# Altium PCB PCB1-nano-withlogo-SMT.PcbDoc (part 1 of 5)
Units mil, origin at the board's own origin, x right, y up, seen from the top; angles counter-clockwise.
Board outline 3300 x 2100 mil, 2 copper layers (Top Layer, Bottom Layer); 48 components, 47 nets, 232 pads, 66 vias.
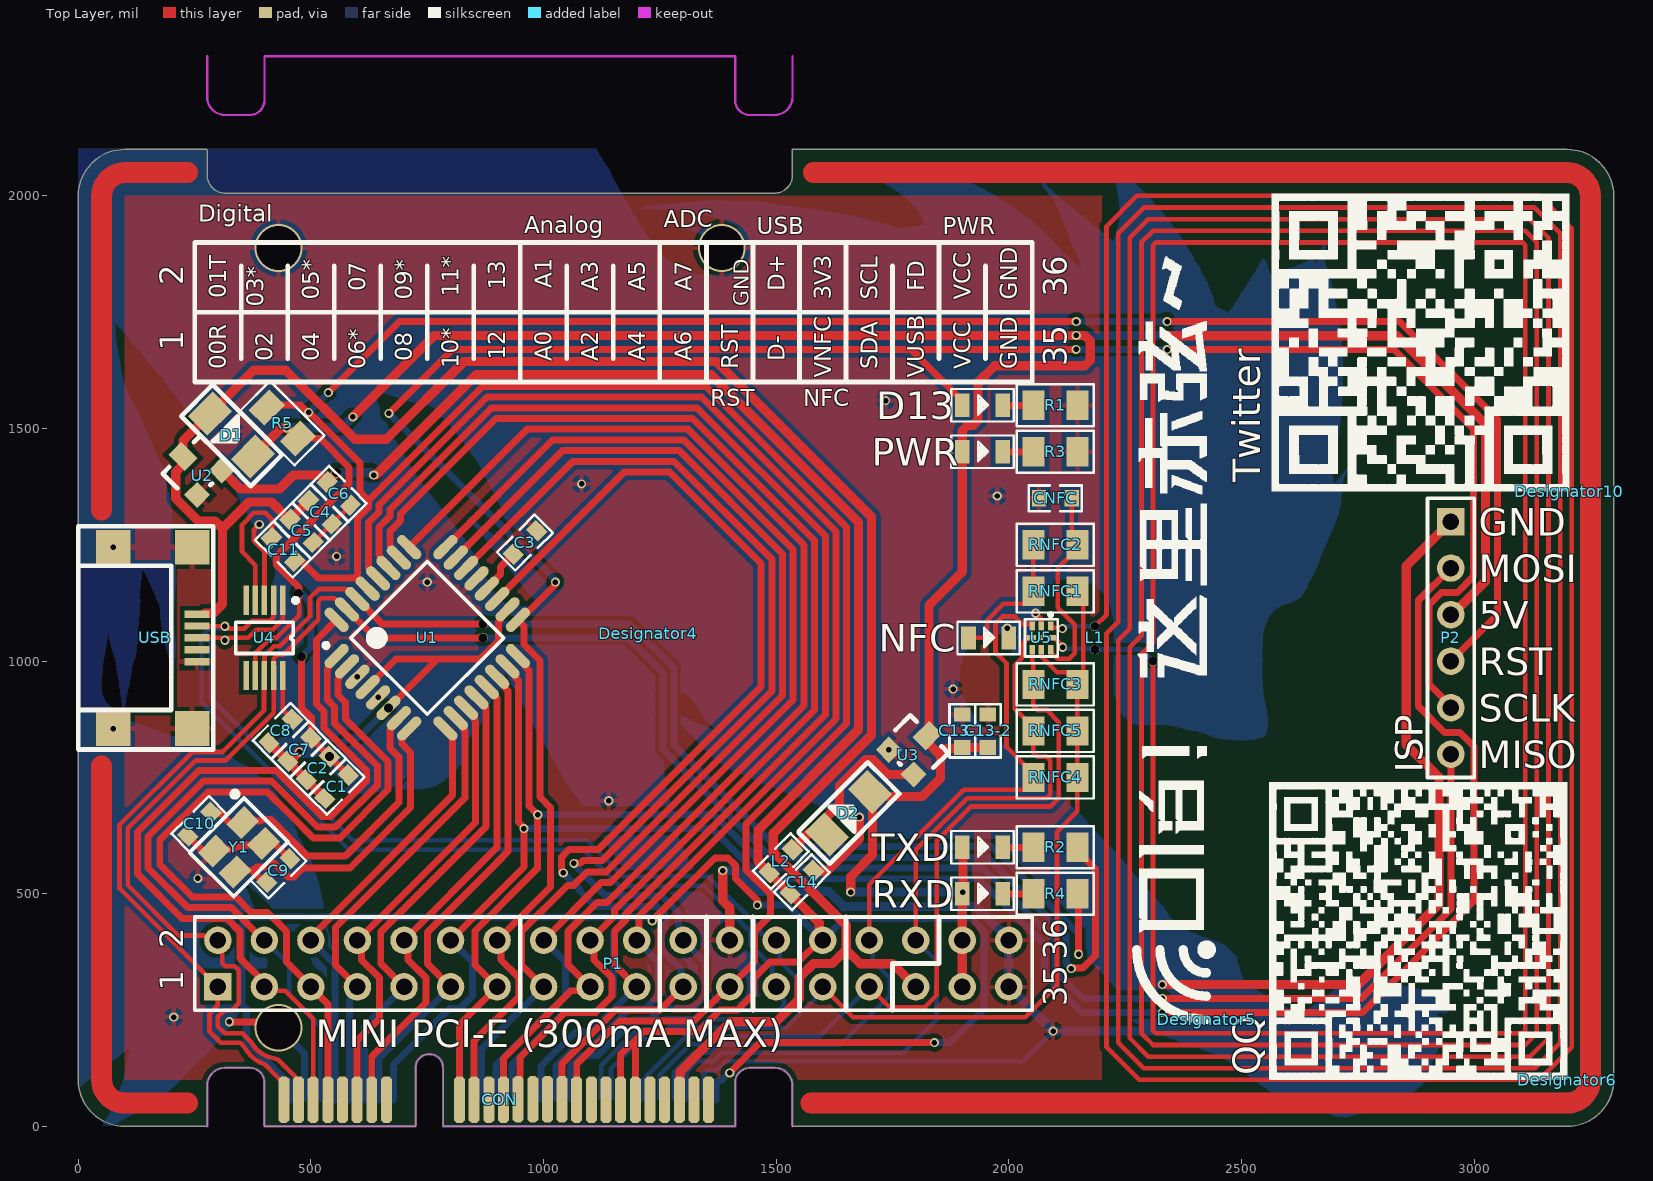
[diagram p0: Top Layer view]
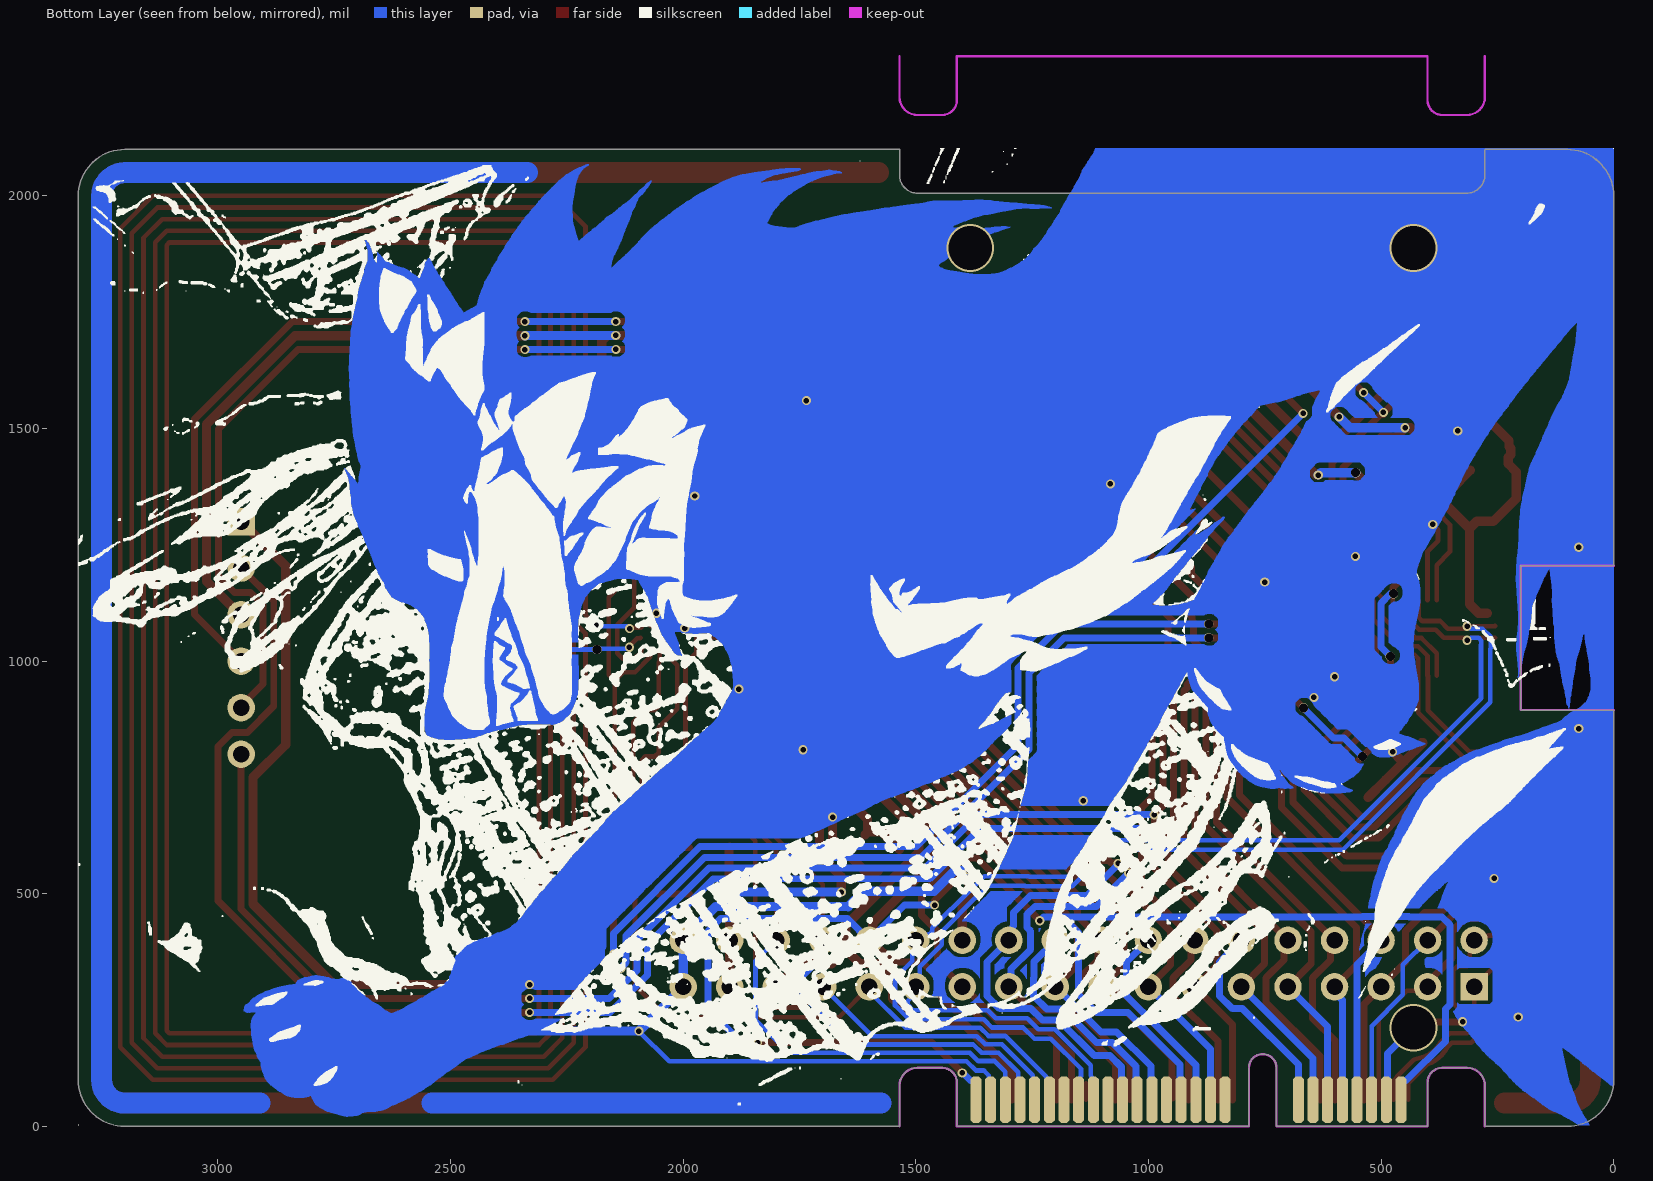
[diagram p1: Bottom Layer view, seen from below]
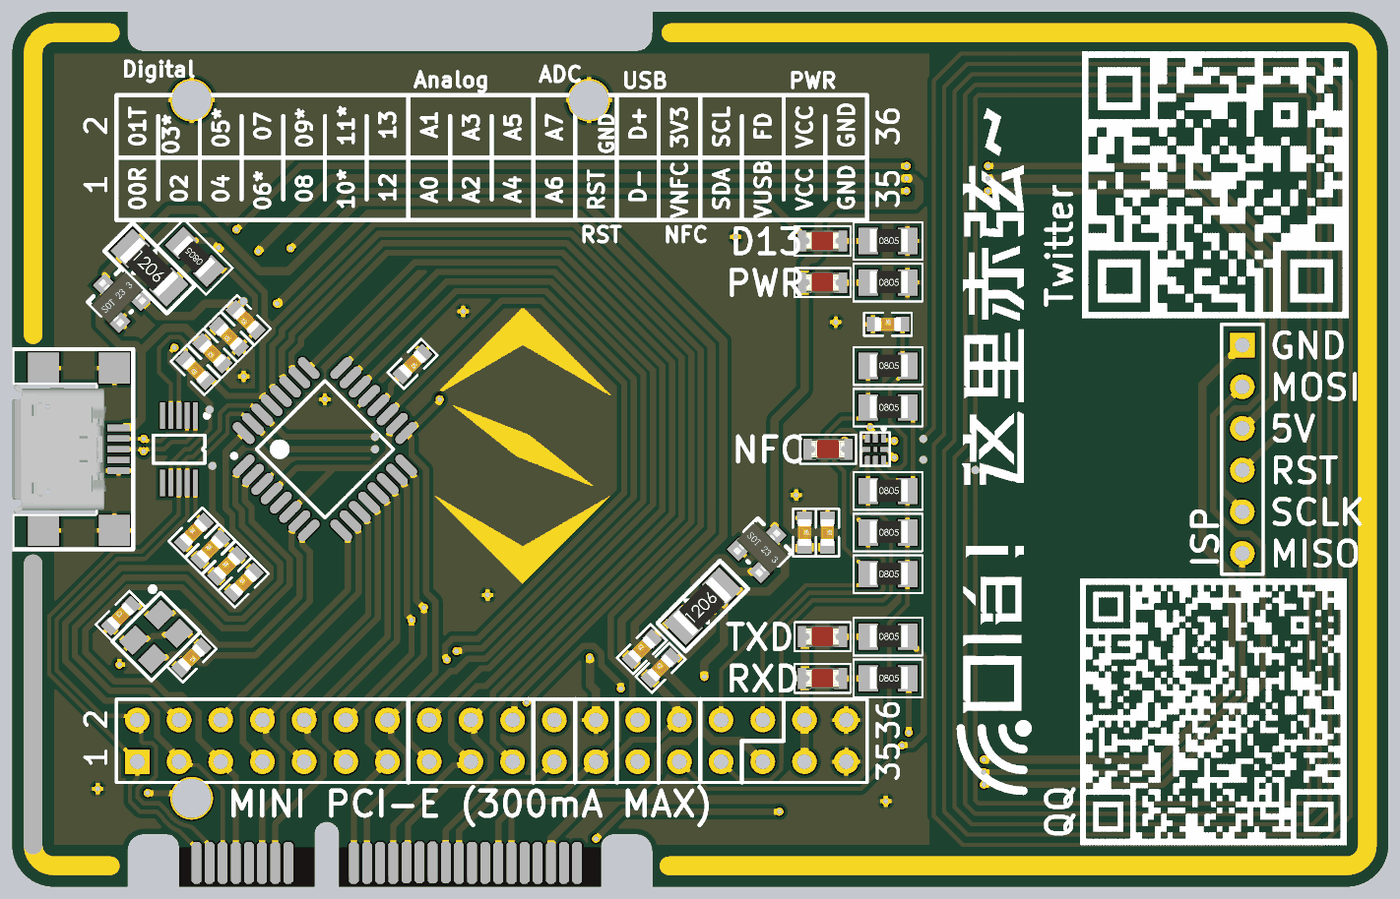
[diagram p6: 3D render of the assembled board from above, using the file's embedded part models]

## Layer stack, top to bottom
Top Solder: solder mask 0.4, Solder Resist, Dk 3.5
Top Layer: signal copper 1.4
Dielectric 1: dielectric 12.6, FR-4, Dk 4.8
Bottom Layer: signal copper 1.4
Bottom Solder: solder mask 0.4, Solder Resist, Dk 3.5

## Board outline
100,0 276.81,0 276.81,87.44 cw(c315.35,87.44) 315.35,125.98 368.5,125.98 cw(c368.5,94.49) 400,94.49 400,0 724.8,0 724.8,126.03 cw(c754.33,125.95) 783.86,125.95 783.86,0 1411.81,0 1411.81,94.49 cw(c1443.31,94.49) 1443.31,125.98 1496.46,125.98 cw(c1496.46,87.44) 1535,87.44 1535,0 3200,0 ccw(c3200,100) 3300,100 3300,2000 ccw(c3200,2000) 3200,2100 1535,2100 1535,2044.56 cw(c1496.46,2044.56) 1496.46,2006.02 315.35,2006.02 cw(c315.35,2044.56) 276.81,2044.56 276.81,2099 275.81,2100 100,2100 ccw(c100,2000) 0,2000 0,1205 200,1205 200,895 0,895 0,100 ccw(c100,100)

## Design rules (kind name [scope] priority, off if disabled: settings)
AssemblyTestpoint [All] p1 off: testpointundercomponent=TRUE minsize=40 maxsize=100 preferedsize=60 minholesize=0 maxholesize=40 preferedholesize=32 testpointgrid=1 usegrid=TRUE gridtolerance=0.01 allowsidetop=TRUE allowsidebottom=TRUE
Clearance [All] p1: gap=10 ignorepadtopadclearanceinfootprint=TRUE except(0: Arc-Hole Track-Hole SMDPad-Hole THPad-Hole Via-Hole Fill-Hole Poly-Hole Region-Hole Text-Hole; 8: Arc-Arc Arc-Track Arc-SMDPad Track-Track Track-SMDPad)
ComponentClearance [All] p1 off: gap=10 collisioncheckmode=3 verticalgap=0 showdistances=FALSE
DiffPairsRouting [All] p1: maxlimit=10 minlimit=10 mostfreqgap=10 toplayer_minwidth=10 toplayer_maxwidth=15 toplayer_prefwidth=10 bottomlayer_minwidth=10 bottomlayer_maxwidth=15 bottomlayer_prefwidth=10 maxuncoupledlength=500
FabricationTestpoint [All] p1 off: side=3 testpointundercomponent=TRUE minsize=40 maxsize=100 preferedsize=60 minholesize=0 maxholesize=40 preferedholesize=32 testpointgrid=1 allowsidetop=TRUE allowsidebottom=TRUE usegrid=TRUE gridtolerance=0.01
PolygonConnect [All] p1: connectstyle=Relief reliefconductorwidth=10 reliefentries=4 polygonreliefangle="90 Angle" airgapwidth=10
RoutingVias [All] p1: holewidth=28 width=50 viastyle="Through Hole" minholewidth=28 minwidth=50 maxholewidth=28 maxwidth=50
SilkToSilkClearance [All] p1 off: silktosilkclearance=10
SilkToSolderMaskClearance [IsPad] p1 off: minsilkscreentomaskgap=10 clearancetoexposedcopper=TRUE
SolderMaskExpansion [All] p1: expansion=4 istentingtop=FALSE
Width Width_GND [InNet('GND')] p1: maxlimit=50 minlimit=10 preferedwidth=20 minimp=50.000000 maximp=50.000000 favimp=50.000000
Width [All] p2: maxlimit=50 minlimit=10 preferedwidth=15 minimp=50.000000 maximp=50.000000 favimp=50.000000
24 further rules are at their usual default settings.

## Classes and differential pairs
component class Sheet1-nano: C1 C2 C3 C4 C5 C6 C7 C8 C9 C10 C11 C13-1 C13-2 C14 CNFC CON D1 D2 D13 L1 L2 NFC P1 P2 PWR R1 R2 R3 R4 R5 RNFC1 RNFC2 RNFC3 RNFC4 RNFC5 RXD TXD U1 U2 U3 U4 U5 USB Y1
differential pair XTAL: +XTAL_P -XTAL_N
differential pair D: +D_P -D_N

## Components (designator, comment, footprint, x,y, rotation, side; value= is the part's Value field where it differs from the comment)
C1 "Cap" 0603C 555,730 r45 top value=1uF
C2 "Cap" 0603C 515,770 r45 top value=4.7uF
C3 "Cap" 0603C 960,1255 r225 top value=0.1uF
C4 "Cap" 0603C 520,1320 r135 top value=0.1uF
C5 "Cap" 0603C 480,1280 r135 top value=4.7uF
C6 "Cap" 0603C 560,1360 r135 top value=0.1uF
C7 "Cap" 0603C 475,810 r45 top value=0.1uF
C8 "Cap" 0603C 435,850 r45 top value=0.1uF
C9 "Cap" 0603C 430,550 r225 top value=22pF
C10 "Cap" 0603C 260,650 r45 top value=22pF
C11 "Cap" 0603C 440,1240 r135 top value=0.1uF
C13-1 "Cap" 0603C 1900,850 r270 top value=47uF
C13-2 "Cap" 0603C 1955,850 r270 top value=47uF
C14 "Cap" 0603C 1555,525 r45 top value=10uF
CNFC "Cap" 0603C 2100,1350 r0 top value=100pF
CON "minipcie" "MINI PCI E PADS" 400,0 r0 top
D1 "Diode" 1206Led 285.9,1526.27 r315 top
D2 "Diode" 1206Led 1615,630 r45 top
D13 "LED0" 0805LED2 1900,1550 r0 top
Designator4 "Comment" logo 1225,1060 r270 top
Designator5 "Comment" Ola 2425,230 r90 top
Designator6 "Comment" qr-qq 3200,100 r90 top
Designator10 "Comment" QR-Twitter 3205,1365 r90 top
L1 "Inductor" L-2.75uH 2185,1075 r0 top value=2.75uH
L2 "Inductor" 0603C 1510,570 r45 top value=10uH
NFC "LED1" 0805LED2 1913.39,1050 r0 top
P1 "Header 18X2" HDR2X18 300,300 r0 top
P2 "Header 6" HDR1X6 2950,1300 r270 top
PWR "LED0" 0805LED2 1900,1450 r0 top
R1 "Res3" 0805-1R 2100,1550 r0 top value=1.5K
R2 "Res3" 0805-1R 2100,600 r0 top value=1.5K
R3 "Res3" 0805-1R 2100,1450 r0 top value=1.5K
R4 "Res3" 0805-1R 2100,500 r0 top value=1.5K
R5 "Res3" 0805-1R 438.41,1511.59 r135 top value=10K
RNFC1 "Res1" 0805-1R 2100,1150 r0 top value=1k
RNFC2 "Res1" 0805-1R 2100,1250 r0 top value=47
RNFC3 "Res1" 0805-1R 2100,950 r0 top value=5.1k
RNFC4 "Res1" 0805-1R 2100,750 r0 top value=5.1k
RNFC5 "Res1" 0805-1R 2100,850 r0 top value=5.1k
RXD "LED0" 0805LED2 1900,500 r0 top
TXD "LED0" 0805LED2 1900,600 r0 top
U1 "ATmega328P-AU" 32A_N 750,1050 r45 top
U2 "XC6206P332MR" SOT-23 252.4,1353.37 r45 top
U3 "QX2303L50T" sot23 1738.37,812.6 r315 top
U4 "CH340E" MS10 400,1050 r180 top
U5 "NT3H1101" XQFN-8_L1.6-W1.6-P0.50-BL 2070,1050 r180 top
USB "MicroUSB" MicroUSB-InBoard 255,1050 r270 top
Y1 "XTAL" SMD-3225 345,600 r225 top

## Footprints (in the part's own frame and the unit in brackets; to place one, negate y for a bottom-side part, rotate by r counter-clockwise, add the part's x,y. Pads: shape width x height; smd on the part's side, far side on the other; paste and mask are expansions set on the pad)
32A_N [mm] "Thin QFP, 32-Leads, Body 7x7mm, Pitch 0.8mm, IPC Medium Density"
  oval 1.65x0.55 smd: 1(-4.2,2.8) 2(-4.2,2) 3(-4.2,1.2) 4(-4.2,0.4) 5(-4.2,-0.4) 6(-4.2,-1.2) 7(-4.2,-2) 8(-4.2,-2.8) 17(4.2,-2.8) 18(4.2,-2) 19(4.2,-1.2) 20(4.2,-0.4) 21(4.2,0.4) 22(4.2,1.2) 23(4.2,2) 24(4.2,2.8)
  oval 0.55x1.65 smd: 9(-2.8,-4.2) 10(-2,-4.2) 11(-1.2,-4.2) 12(-0.4,-4.2) 13(0.4,-4.2) 14(1.2,-4.2) 15(2,-4.2) 16(2.8,-4.2) 25(2.8,4.2) 26(2,4.2) 27(1.2,4.2) 28(0.4,4.2) 29(-0.4,4.2) 30(-1.2,4.2) 31(-2,4.2) 32(-2.8,4.2)
  silkscreen extent -4.32,-2.95 2.95,3.75, body extent -3.5,-3.5 3.5,3.5, height 1.2
0603C [mm]
  rect 0.762x0.9 smd: 1(-0.9,0)
  rect 0.8x0.9 smd: 2(0.9,0)
  silkscreen extent -1.45,-0.7 1.45,0.7, body extent -0.8,-0.4 0.8,0.4, height 0.3
0805-1R [mm] "small type  ver20150428"
  rect 1.2x1.6 smd: 1(-1.2,0) 2(1.2,0)
  silkscreen extent -2.1,-1.15 2.1,1.15, body extent -1.09,-0.64 1.21,0.7, height 0.76
0805LED2 [mm]
  rect 0.8x1.27 smd: 1(0,0) 2(2.2,0)
  silkscreen extent -0.6,-0.89 2.8,0.89, body extent 0.09,-0.62 2.11,0.64, height 1.1
1206Led [mil]
  rect 59.06x75 smd: 1(-6,2) 2(124,2)
  silkscreen extent -46,-46 166,50, body extent -8,-32 124,36, height 33
HDR1X6 [mm] "Connector; Header; 6 Position"
  rect 1.5x1.5 hole 0.9: 1(0,0)
  round 1.5 hole 0.9: 2(2.54,0) 3(5.08,0) 4(7.62,0) 5(10.16,0) 6(12.7,0)
  silkscreen extent -1.27,-1.27 13.97,1.27
HDR2X18 [mm] "Connector; Header; 18x2 Position"
  rect 1.5x1.5 hole 0.9: 1(0,0)
  round 1.5 hole 0.9: 2(0,2.54) 3(2.54,0) 4(2.54,2.54) 5(5.08,0) 6(5.08,2.54) 7(7.62,0) 8(7.62,2.54) 9(10.16,0) 10(10.16,2.54) 11(12.7,0) 12(12.7,2.54) 13(15.24,0) 14(15.24,2.54) 15(17.78,0) 16(17.78,2.54) 17(20.32,0) 18(20.32,2.54) 19(22.86,0) 20(22.86,2.54) 21(25.4,0) 22(25.4,2.54) 23(27.94,0) 24(27.94,2.54) 25(30.48,0) 26(30.48,2.54) 27(33.02,0) 28(33.02,2.54) 29(35.56,0) 30(35.56,2.54) 31(38.1,0) 32(38.1,2.54) 33(40.64,0) 34(40.64,2.54) 35(43.18,0) 36(43.18,2.54)
  silkscreen extent -1.27,-1.27 44.45,3.81
L-2.75uH [mil]
  round 20 hole 19 mask+4: 1(0,0) 2(0,-50)
  Top Layer lines w10: 0,0 25,25 25,860 90,925 125,925 955,925 1025,855 1025,425 1025,-445 1025,-875 1025,-905 955,-975 125,-975 95,-975 25,-905 25,-15 50,10 50,845 105,900 125,900 945,900 1000,845 1000,425 1000,-455 1000,-875 1000,-895 945,-950 125,-950 105,-950 50,-895 50,-30 75,-5 75,835 115,875 125,875 935,875 975,835 975,425 975,-465 975,-885 935,-925 125,-925 115,-925 75,-885 75,-45 100,-20 100,825 125,850 925,850 950,825 950,425 950,-475 950,-875 925,-900 125,-900 100,-875 100,-60 125,-35 125,819.14 130.86,825 919.14,825 925,819.14 925,430.86 925,-480.86 925,-869.14 919.14,-875 130.86,-875 125,-869.14 125,-75
  Bottom Layer lines w10: 0,-50 100,-50 125,-75
logo [mil]
MicroUSB-InBoard [mm]
  rect 0.4x1.35 smd: 1(-1.3,0) 2(-0.65,0) 3(0,0) 4(0.65,0) 5(1.3,0)
  rect 1.9x1.9 smd: GND(-4.953,-0.254) GND(-4.953,-4.572) GND(4.953,-0.254) GND(4.953,-4.572)
  silkscreen extent -6.1,-6.48 6.1,0.89, body extent -3.97,-6.47 3.98,-0.7, height 2.67
"MINI PCI E PADS" [mm]
  oct 0.6x2.55 smd: 1(1.059,1.451) 3(1.859,1.451) 5(2.659,1.451) 7(3.459,1.451) 9(4.259,1.451) 11(5.059,1.451) 13(5.859,1.451) 15(6.659,1.451) 17(10.65,1.451) 19(11.45,1.451) 21(12.25,1.451) 23(13.05,1.451) 25(13.85,1.476) 27(14.65,1.476) 29(15.45,1.476) 31(16.25,1.476) 33(17.05,1.451) 35(17.85,1.451) 37(18.65,1.451) 39(19.45,1.451) 41(20.25,1.451) 43(21.05,1.451) 45(21.85,1.451) 47(22.65,1.451) 49(23.45,1.451) 51(24.25,1.451)
  oct 0.6x2.55 smd far side: 2(1.45,1.451) 4(2.25,1.451) 6(3.051,1.451) 8(3.851,1.451) 10(4.651,1.451) 12(5.452,1.451) 14(6.252,1.451) 16(7.052,1.451) 18(11.05,1.451) 20(11.85,1.451) 22(12.65,1.451) 24(13.45,1.451) 26(14.25,1.451) 28(15.05,1.451) 30(15.85,1.451) 32(16.65,1.451) 34(17.45,1.451) 36(18.25,1.451) 38(19.05,1.451) 40(19.85,1.451) 42(20.65,1.451) 44(21.45,1.451) 46(22.25,1.451) 48(23.05,1.451) 50(23.85,1.451) 52(24.65,1.451)
MS10 [mm] "Shrink Small Outline; 10 Leads; Body Width 3 mm; Pitch 0.5 mm"
  rect 0.3x1.6 smd: 1(-1,-2.05) 2(-0.5,-2.05) 3(0,-2.05) 4(0.5,-2.05) 5(1,-2.05) 6(1,2.05) 7(0.5,2.05) 8(0,2.05) 9(-0.5,2.05) 10(-1,2.05)
  silkscreen extent -1.83,-2.17 1.58,0.85
Ola [mil]
  silkscreen extent 0,-10 1640,150
qr-qq [mil]
  silkscreen extent 0,0 640,639
QR-Twitter [mil]
  silkscreen extent 0,0 640,639
SMD-3225 [mm]
  rect 1.4x1.15 smd: 1(-1.1,-0.8) 2(1.1,0.8) GND(-1.1,0.8) GND(1.1,-0.8)
  silkscreen extent -2.1,-2.35 2.1,1.7, body extent -1.65,-1.27 1.65,1.27, height 0.8
sot23 [mil]
  rect 40x40 smd: 1(4.88,0.63) 3(79.88,0.63)
  rect 40x50 smd: 2(41.88,80.63)
  silkscreen extent -15,-4 100,86, body extent -15,-11 99,99, height 47
SOT-23 [mil]
  rect 40x40 smd: 1(4.88,0.63) 2(79.88,0.63)
  rect 40x50 smd: 3(41.88,80.63)
  silkscreen extent -15,-4 100,86, body extent -15,-11 99,99, height 47
XQFN-8_L1.6-W1.6-P0.50-BL [mm]
  rect 0.3x0.5 smd: 1(-0.5,-0.65) 2(0,-0.65) 3(0.5,-0.65) 5(0.5,0.65) 6(0,0.65) 7(-0.5,0.65)
  rect 0.5x0.3 smd: 4(0.55,0) 8(-0.55,0)
  rect 0.2x0.3 smd: 9(0,0)
  silkscreen extent -0.89,-1.33 0.89,1.02

## Part data
C1 C2 C3 C4 C5 C6 C7 C8 C9 C10 C11 C13-1 C13-2 C14 CNFC: "Capacitor", LatestRevisionDate=17-Jul-2002, LatestRevisionNote="Re-released for DXP Platform.", PackageDescription="Radial Cap, Thru-Hole; 2 Leads; 0.3 in Pin Spacing", PackageReference=RAD-0.3, Published=8-Jun-2000, Publisher="Altium Limited"
D1 D2: "Default Diode", Code_JEDEC=DO-214-AB, LatestRevisionDate=17-Jul-2002, LatestRevisionNote="Re-released for DXP Platform.", PackageDescription="DO-214-AB/SMC; 2 C-Bend Leads; Body 7.9 x 5.9 mm, inc. leads (LxW)", PackageReference=SMC, PackageVersion=Sep-1996, Published=8-Jun-2000, Publisher="Altium Limited"
D13 PWR RXD TXD: "Typical INFRARED GaAs LED", LatestRevisionDate=08-Jul-2005, LatestRevisionNote="Mech Layer 1 removed.", PackageDescription="LED; 2 Leads", PackageReference=LED-0, Published=8-Jun-2000, Publisher="Altium Limited"
NFC: "Typical RED GaAs LED", LatestRevisionDate=08-Jul-2005, LatestRevisionNote="Mech Layer 1 removed.", PackageDescription="LED; 2 Leads", PackageReference=LED-1, Published=8-Jun-2000, Publisher="Altium Limited"
P1: "Header, 18-Pin, Dual row", LatestRevisionDate=17-Jul-2002, LatestRevisionNote="Re-released for DXP Platform.", Publisher="Altium Limited"
P2: "Header, 6-Pin", LatestRevisionDate=17-Jul-2002, LatestRevisionNote="Re-released for DXP Platform.", Publisher="Altium Limited"
R1 R2 R3 R4 R5 RNFC1 RNFC2 RNFC3 RNFC4 RNFC5: "Resistor", Published=8-Jun-2000, Publisher="Altium Limited"
  R1 R2 R3 R4 R5: LatestRevisionDate=29-May-2009, LatestRevisionNote="IPC-7351 Footprint Added.", PackageDescription="Chip Resistor", PackageReference=J1-0603
  RNFC1 RNFC2 RNFC3 RNFC4 RNFC5: LatestRevisionDate=17-Jul-2002, LatestRevisionNote="Re-released for DXP Platform.", PackageDescription="Axial Device, Thru-Hole; 2 Leads; 0.3 in Pin Spacing", PackageReference=AXIAL-0.3
U1: "8-bit AVR Microcontroller, 32KB Flash, 1KB EEPROM, 2KB SRAM, 32-pin TQFP, Industrial Grade (-40癈 to 85癈)", Supplier Part Number 1=ATMEGA328P-AU-ND, Code_JEDEC=MS-026-ABA, ComponentLink1Description="Manufacturer Link", ComponentLink1URL=http://www.atmel.com/products/avr/default.asp?, ComponentLink2Description="ATmega48A/48PA/88A/88PA/168A/168PA/328/328P Datasheet", ComponentLink2URL=http://www.atmel.com/dyn/resources/prod_documents/8271.pdf, ComponentLink3Description="ATmega48A/48PA/88A/88PA/168A/168PA/328/328P Summary", ComponentLink3URL=http://www.atmel.com/dyn/resources/prod_documents/8271S.pdf, ComponentLink4Description="Atmel.com Home", ComponentLink4URL=http://www.atmel.com, DatasheetVersion="revA, Jan-2010", PackageDescription="32-Lead, 7x7x1.0 mm Body, 0.8mm Lead Pitch, Thin Profile Plastic Quad Flat Package (TQFP)", PackageReference=32A, PackageVersion="revB, Oct-2001", Published=1-Apr-2010, Publisher="Altium Limited", Supplier 1=Digi-Key, Supplier 2=Farnell, Supplier 3=Mouser, Supplier Part Number 2=1715486, Supplier Part Number 3=556-ATMEGA328P-AU
U2: library part AMS1117
Y1: "Crystal Oscillator", LatestRevisionDate=17-Jul-2002, LatestRevisionNote="Re-released for DXP Platform.", PackageDescription="Crystal, Thru-Hole; 2 Leads; Body 3.1 x 8.2 mm (Dia.xH)", PackageReference=R38, Published=8-Jun-2000, Publisher="Altium Limited"
L1 L2: Code_IEC=1005, Code_JEITA=0402, LatestRevisionDate=29-May-2009, LatestRevisionNote="IPC-7351 Footprint Added.", PackageDescription="Chip Inductor", PackageReference=0402-A, Published=8-Jun-2000, Publisher="Altium Limited"

## Via types
v1: diameter 19.68, hole 11.81, Top Layer to Bottom Layer, 55 vias
v2: diameter 20, hole 19.5, Top Layer to Bottom Layer, tented both sides, 8 vias
v3: diameter 102.36, hole 94.49, Top Layer to Bottom Layer, 3 vias

## Nets (pads, with @x,y where several pads share a name; then routed paths per layer and width w, separated by ;. In a path a pad name is that pad's centre, name@x,y a point inside that pad or via, vN(x,y) a via of type N, cw(c..) or ccw(c..) an arc to the next point about the centre after c; other vN are vias at no path point)
00R: CON.1 P1.1 R4.2 U1.30 U4.8 | length 3722.9
  Top Layer w10: CON.1@441.69,57.12 441.69,92.53 423.8,110.42 402.75,131.46 401.24,132.98 cw(c430.18,212.03) 357.16,170.14 347.67,179.63 305.86,179.63 282,203.49 282,242.75 300,260.75 P1.1@300,300 88.5,511.5 88.5,648.5 244.6,804.6 309.6,804.6 399.22,894.22 399.22,968.51 U4.8@400,969.29 400,1011.16 420.62,1031.79 433.23,1031.79 497.99,1096.54 497.99,1136.6 516.39,1155 575.03,1155 596.52,1133.52 U1.30@599.67,1133.52
  Top Layer w15: U1.30@599.67,1133.52 653.19,1080 v2(870,1080) ; R4.2@2147.24,500 2150.34,496.9 2150,496.56 v1(2150,370)
  Bottom Layer w15: v2(870,1080) 1185,1080 1280,985 1280,820 1498.66,601.34 1963.66,601.34 2150,415 v1(2150,370)
01T: CON.3 P1.2 R2.2 U1.31 U4.9 | length 3966.5
  Top Layer w10: CON.3@473.18,57.12 473.18,98.48 466.5,105.17 466.5,106.79 430.04,143.26 412.18,148.34 412,148.39 cw(c430.18,212.03) 371.68,181.07 352.75,200 314.71,200 300,214.71 300,235.29 314.71,250 330.27,250 344.53,264.26 344.53,335.74 335.74,344.53 315.24,344.53 309.39,350.39 309.39,390.61 290.61,409.39 270.48,409.39 269.61,410.25 215.21,410.25 106.5,518.96 106.5,641.04 252.05,786.6 317.05,786.6 419.68,889.23 U4.9@419.68,969.29 420.08,969.69 420.08,1005.79 428.08,1013.79 440.69,1013.79 515.99,1089.09 515.99,1129.14 521.85,1135 550.49,1135 574.25,1111.25 U1.31@577.4,1111.25
  Top Layer w15: U1.31@577.4,1111.25 638.64,1050 v2(870,1050) ; v1(2134.1,339.1) 2134.99,339.99 2158.66,339.99 2186.37,367.7 2186.37,553 2147.24,592.13 R2.2@2147.24,600
  Bottom Layer w15: v2(870,1050) 1181.17,1050 1257,974.17 1257,810.47 1489.13,578.34 1954.13,578.34 2122.66,409.82 2122.66,351.81 2134.1,340.37 v1(2134.1,339.1)
02: CON.5 P1.3 U1.32 | length 1838.2
  Top Layer w10: P1.3@400,300 408.73,291.27 444.53,291.27 504.68,231.12 CON.5@504.68,57.12
  Top Layer w15: P1.3@400,300 400,309.26 347.03,362.23 347.03,419.48 319.48,447.03 222.97,447.03 127,543 127,632.55 259.45,765 425.05,765 523.74,666.31 543.29,666.31 619.75,742.78 619.75,764.55 528,856.3 528,892 512.03,907.97 512.03,1045.88 U1.32@555.13,1088.97
03: CON.6 P1.4 U1.1 | length 1725.4
  Top Layer w15: P1.4@400,400 399.03,400 329.01,470.03 235.5,470.03 150,555.53 150,623.03 268.97,742 415.53,742 514.22,643.31 552.81,643.31 642.75,733.25 642.75,774.72 551,866.47 551,901.53 535.03,917.5 535.03,983.62 538.54,987.13 538.54,994.44 U1.1@555.13,1011.03
  Bottom Layer w10: P1.4@400,400 452.97,347.03 452.97,282.83 520.1,215.69 CON.6@520.1,57.12
3V3: C6.2 C14.1 CON.2 CON.24 CON.39 CON.41 CON.52 L2.1 P1.28 U2.2 | length 7056.6
  Top Layer w15: C6.2@534.95,1385.05 C6.2@534.95,1385.3 ; v2@554.65,1405.01 v2(554.65,1405.26) ; CON.39@1165.75,57.12 1165.75,154.67 1197.24,186.17 ; CON.41@1197.24,57.12 1197.24,186.17 ; v1(1233.42,442.07) 1368.7,577.34 1396.33,577.34 1412.34,561.33 1412.34,532.66 1459.61,485.39 v1(1459.61,475.68) ; v1(1400,115) 1465,180 v1(1840,180) ; P1.28@1592.53,407.47 P1.28@1600,400 1593.89,400 1546.87,352.97 1486.47,352.97 1451.49,317.99 1451.49,284.98 1417.01,250.5 1379.44,250.5 1332.94,204 1215.07,204 1197.24,186.17
  Top Layer w20: U2.2@308.44,1410.3 348.74,1370 432.53,1370 462.53,1400 520,1400 C6.2@534.95,1385.05 ; C6.2@534.95,1385.3 v2@554.65,1405.01 ; v1(635,1400) 639.75,1400 855.75,1616 1359.4,1616 1677,1298.4 1677,853 1460.84,636.84 1460.84,569.05 L2.1@1484.95,544.95 C14.1@1529.95,499.95 1592.53,437.36 P1.28@1592.53,407.47
  Bottom Layer w15: CON.2@457.09,57.12 457.09,93.99 452.78,98.3 445.95,98.3 361.49,182.76 361.5,252.13 352,261.63 352,433.37 368.63,450 439.37,450 440.37,451 483.63,451 484.63,450 513.37,450 514.37,451 539.63,451 540.63,450 1183.49,450 ; CON.24@932.32,59.92 932.32,133.28 1044.03,245 1111.51,245 1150,283.49 1150,416.51 1183.49,450 ; v1(1233.42,442.07) 1225.49,450 1183.49,450 ; CON.52@1370.47,57.12 1370.47,93.99 1374.78,98.3 1382.04,98.3 1398.73,115 v1(1400,115) ; v1(1459.61,475.68) 1524.32,475.68 P1.28@1600,400 1647.03,447.03 1919.48,447.03 1947.03,419.48 1947.03,252.03 1875,180 v1(1840,180)
  Bottom Layer w20: v2(554.65,1405.26) 629.74,1405.26 v1(635,1400)
04: CON.7 P1.5 U1.2 | length 1718.5
  Top Layer w15: CON.7@536.18,57.12 536.18,262.6 500,298.77 P1.5@500,300 500,300.81 447.03,353.79 447.03,419.48 406.51,460 371.56,460 338.53,493.03 245.03,493.03 175,563.06 175,615.5 278.5,719 406,719 455,670 505,620 562.03,620 665.75,723.73 665.75,784.25 574,876 574,911.05 558.03,927.02 558.03,962.08 560.81,964.86 560.81,972.17 U1.2@577.4,988.75
05: CON.8 P1.6 U1.9 | length 951.8
  Top Layer w15: P1.6@500,400 500,407.53 804.29,711.81 804.29,836.74 788.97,852.05 U1.9@788.97,855.13
  Bottom Layer w15: P1.6@500,400 551.61,348.39 CON.8@551.61,57.12
06: CON.10 P1.7 U1.10 | length 969.8
  Top Layer w15: P1.7@600,300 552.97,347.03 552.97,427.97 830.61,705.61 830.61,850.72 827.83,853.5 827.83,860.81 U1.10@811.25,877.4
  Bottom Layer w15: CON.10@583.12,57.12 583.12,271.2 600,288.08 P1.7@600,300
07: CON.11 P1.8 U1.11 | length 995.2
  Top Layer w15: CON.11@599.17,57.12 599.17,184.32 647.03,232.18 647.03,319.48 608.43,358.08 608.43,391.57 P1.8@600,400 853.61,653.61 853.61,872.26 850.1,875.78 850.1,883.09 U1.11@833.52,899.67
08: CON.12 P1.9 U1.12 | length 1023.4
  Top Layer w15: P1.9@700,300 650,350 650,417.47 876.61,644.09 876.61,899.32 855.79,920.14 U1.12@855.79,921.94
  Bottom Layer w15: CON.12@614.63,57.12 614.63,214.63 P1.9@700,300
09: CON.13 P1.10 U1.13 | length 1046.7
  Top Layer w15: CON.13@630.66,57.12 630.66,150.07 747.03,266.43 747.03,319.48 708.43,358.08 708.43,391.57 P1.10@700,400 900,600 900,920.47 878.06,942.41 U1.13@878.06,944.21
10: CON.14 P1.11 U1.14 | length 1074.9
  Top Layer w15: P1.11@800,300 750,350 750,416.51 900.33,566.84 900.33,567.8 923,590.47 923,936.5 916.91,942.59 916.91,949.9 U1.14@900.33,966.48
  Bottom Layer w15: CON.14@646.14,57.12 646.14,146.14 P1.11@800,300
11: CON.16 P1.12 P2.2 U1.15 | length 4270.5
  Top Layer w15: P1.12@800,400 957.66,557.66 v1(957.66,640) ; U1.15@922.6,988.75 939.19,972.17 939.19,964.86 946,958.05 946,654 955.32,644.69 955.32,643.61 v1@958.93,640 ; v1@2330.5,245 2760,245 3000,485 3000,816.51 2969.48,847.03 2936.47,847.03 2879.97,903.52 2879.97,1129.97 P2.2@2950,1200
  Bottom Layer w15: CON.16@677.65,57.12 677.65,132.65 797.97,252.97 819.48,252.97 847.03,280.52 847.03,352.97 P1.12@800,400 ; v1(957.66,640) 1362.42,640 1470.08,532.34 1935.08,532.34 2076.66,390.76 2076.66,325.34 2157,245 v1(2330,245)
12: CON.17 P1.13 P2.6 U1.16 | length 3656.4
  Top Layer w15: CON.17@819.29,57.12 819.29,219.29 P1.13@900,300 852.97,347.03 852.97,420.45 987.34,554.82 v1(987.34,670) 969,688.34 969,979.59 961.46,987.13 961.46,994.44 U1.16@944.87,1011.03 ; v1@2330.5,275 2757.47,275 2950,467.53 P2.6@2950,800
  Bottom Layer w15: v1(987.34,670) 1364.95,670 1479.6,555.34 1944.6,555.34 2099.66,400.29 2099.66,334.87 2159.53,275 v1(2330,275)
13: CON.19 D13.1 P1.14 P2.5 U1.17 | length 5094.2
  Top Layer w15: v1(667.5,1532.5) 804.5,1669.5 1789.75,1669.5 ; CON.19@850.79,57.12 850.79,183.31 947.03,279.55 947.03,319.48 908.43,358.08 908.43,391.57 P1.14@900,400 1015,515 1015,685 992,708 992,1001.13 957.5,1035.63 957.5,1075.68 946.71,1086.47 1025.24,1165 v1(1025.24,1169.88) ; D13.1@1900,1550 1900,1559.25 1789.75,1669.5 ; v1(2144.5,1670) 1790.25,1670 1789.75,1669.5 ; v1(2340,1669.66) 2340.34,1670 2827.88,1670 2999,1498.87 2999,1182.49 2964.27,1147.76 2930.29,1147.76 2902.97,1120.45 2902.97,950.88 2950,903.85 P2.5@2950,900
  Bottom Layer w15: v1(667.5,1532.5) 950,1250 1025.24,1174.76 v1(1025.24,1169.88) ; v1(2144.5,1670) 2144.67,1669.83 2339.83,1669.83 v1(2340,1669.66)
+5: C4.2 C5.2 CON.47 D1.1 P1.31 U2.3 USB.1 | length 4340.7
  Top Layer w20: USB.1@271.57,1103.31 290.32,1103.31 310,1122.98 310,1285 ; C4.2@494.95,1345.05 C5.2@454.95,1305.05 453.55,1303.66 415.22,1342 367,1342 310,1285 ; CON.47@1293.42,58.8 1293.42,117.23 1401.19,225 1500,225 1549.53,274.53 1549.53,319.57 1580.09,350.13 1620.6,350.13 1650.21,379.74 ; P1.31@1800,300 1750.47,349.53 1680.43,349.53 1650.21,379.74 ; 310,1285 294.6,1300.4 258.53,1300.4 209.12,1349.81 209.12,1406.46 226.76,1424.1 226.76,1438.24 221.46,1443.54 221.46,1457.68 225,1461.21 225,1473.85 D1.1@283.08,1531.92 376.53,1625.38 446.1,1625.38 594.48,1477 662,1477 829,1644 1371,1644 1705,1310 1705,841.4 1493.39,629.79 1493.39,588.99 1650.21,432.17 1650.21,379.74
A0: CON.20 P1.15 U1.23 | length 2401.5
  Top Layer w15: U1.23@811.25,1222.6 1041.14,1452.5 1291.68,1452.5 1513.5,1230.68 1513.5,926.03 1134.47,547 1093.17,547 1063.83,517.66 1051.15,517.66 952.97,419.48 952.97,347.03 P1.15@1000,300
  Bottom Layer w15: CON.20@866.53,57.12 866.53,166.53 P1.15@1000,300
A1: CON.22 P1.16 U1.24 | length 2438.7
  Top Layer w15: U1.24@788.97,1244.87 1019.6,1475.5 1301.21,1475.5 1536.5,1240.21 1536.5,916.5 1144,524 1124,524 P1.16@1000,400
  Bottom Layer w15: CON.22@898.02,57.12 898.02,131.51 982.04,215.53 1047.03,280.52 1047.03,352.97 P1.16@1000,400
A2: CON.23 P1.17 U1.25 | length 2587.3
  Top Layer w15: U1.25@711.03,1244.87 964.65,1498.5 1310.73,1498.5 1559.5,1249.73 1559.5,904.39 1418.05,762.95 1136.53,481.42 1114.92,481.42 1052.97,419.48 1052.97,347.03 P1.17@1100,300 1091.57,291.57 1059.04,291.57 913.78,146.31 CON.23@913.78,57.12
A3: CON.25 P1.18 U1.26 | length 2726.6
  Top Layer w15: U1.26@685.31,1227.85 672.17,1240.99 672.17,1246.5 669.39,1249.28 669.39,1278.56 692.69,1301.86 692.69,1316.69 897.5,1521.5 1320.26,1521.5 1582.5,1259.26 1582.5,894.87 1203.63,516 1152.61,464.97 1152.61,452.61 P1.18@1100,400 1108.43,391.57 1108.43,358.08 1147.03,319.48 1147.03,280.52 1116.51,250 1111.51,245 1046.33,245 949.46,148.13 949.46,107.8 948.07,106.41 CON.25@948.07,60.92
A4: CON.28 P1.19 U1.27 | length 2806.2
  Top Layer w15: U1.27@666.48,1200.33 649.9,1216.91 649.9,1224.22 646.39,1227.74 646.39,1288.09 669.69,1311.39 669.69,1326.22 887.97,1544.5 1329.79,1544.5 1605.5,1268.79 1605.5,885.34 1213.16,493 1175.61,455.45 1175.61,443.08 1152.97,420.45 1152.97,347.03 P1.19@1200,300
  Bottom Layer w15: CON.28@994.76,59.37 994.76,129.82 1068.18,203.23 1102.26,203.23 1199.03,300 P1.19@1200,300
A5: CON.30 P1.20 U1.28 | length 2920.6
  Top Layer w15: U1.28@644.21,1178.06 644.21,1179.86 623.39,1200.68 623.39,1297.62 646.69,1320.92 646.69,1335.74 878.45,1567.5 1339.31,1567.5 1628.5,1278.31 1628.5,875.81 1222.1,469.41 1204.72,452.03 1204.72,404.72 P1.20@1200,400
  Bottom Layer w15: CON.30@1026.81,59.92 1026.81,129.33 1077.7,180.23 1111.79,180.23 1183.56,252 1218.51,252 1247.03,280.52 1247.03,319.48 1246,320.51 1246,354 P1.20@1200,400
A6: CON.31 P1.21 U1.19 | length 2483.3
  Top Layer w15: U1.19@900.33,1133.52 1173.31,1406.5 1270.5,1406.5 1467.5,1209.5 1467.5,945.08 1117.42,595 1055,595 1038,578 1038,550.61 1042.34,546.27 v1(1042.34,545) ; CON.31@1039.76,58.12 1039.76,134.76 1155,250 1250,250 P1.21@1300,300
  Bottom Layer w15: v1(1042.34,545) 1077.62,509.72 1077.62,507.38 1112,473 1243.79,473 1260.77,456.03 1260.77,427.27 1252.97,419.48 1252.97,380.52 1294.96,338.54 1294.96,305.04 P1.21@1300,300
A7: CON.32 P1.22 U1.22 | length 2594
  Top Layer w15: U1.22@833.52,1200.33 1062.69,1429.5 1280.03,1429.5 1490.5,1219.03 1490.5,935.55 1126.95,572 1085.64,572 1079.83,566.19 1066.24,566.19 v1(1065.34,565.29)
  Bottom Layer w15: CON.32@1058.3,59.92 1058.3,128.3 1082.34,152.34 1116.43,152.34 1193.09,229 1228.03,229 1252.01,252.97 1319.48,252.97 1347.03,280.52 1347.03,352.97 1291.57,408.43 1291.57,429.2 1289.95,430.81 1289.95,459.37 1253.32,496 1131.66,496 1069.4,558.25 1069.4,559.96 1065.34,564.02 v1(1065.34,565.29)
D_N: CON.36 P1.25 U4.2 USB.2 | length 2483.5
  Top Layer w10: USB.2@255,1075.59 255.3,1075.3 314.7,1075.3 v1(315,1075) ; v1@322.62,1070 356.72,1070 373,1086.29 ; 376.21,1086.21 411.29,1086.21 418.91,1093.83 418.91,1129.93 U4.2@419.68,1130.71
  Bottom Layer w10: v1(315,1075) 312.38,1075 307.38,1070 281.87,1070 264.3,1052.43 264.3,1027.57 265,1026.87 265,911.72 581.72,595 1085,595 1163.5,516.5 1264.41,516.5 1265.41,517.5 1344.59,517.5 1371.93,490.16 1372.81,490.16 1444.53,418.44 1444.53,390.12 1491.17,343.47 1491.17,317.11 P1.25@1500,308.28 ; CON.36@1122.33,60.95 1122.33,106.77 1124.25,108.69 1124.25,131.17 1201.58,208.5 1236.53,208.5 1260.5,232.47 1327.97,232.47 1345.5,250 1506.24,250 1517.57,261.33 1517.57,269.61 1500,287.18 P1.25@1500,300
D_P: CON.38 P1.26 U4.1 USB.3 | length 2500.6
  Top Layer w10: USB.3@255,1050 v1@307.38,1050 ; v1@322.62,1050 365,1050 382.79,1067.79 418.32,1067.79 439.37,1088.84 U4.1@439.37,1130.71
  Bottom Layer w10: v1(315,1045) 312.38,1045 307.38,1050 290.16,1050 284.3,1044.14 284.3,1035.86 285,1035.16 285,920 590,615 1093.28,615 1171.78,536.5 1256.12,536.5 1257.12,537.5 1352.88,537.5 1353.88,536.5 1354.76,536.5 1355.16,536.1 1355.16,535.22 1380.22,510.16 1381.1,510.16 1464.53,426.73 1464.53,419.22 1470.39,413.36 1473.37,413.36 1490.47,396.25 1503.75,396.25 1507.5,392.5 1507.5,355.47 1544.53,318.44 1544.53,260 1514.52,230 1353.78,230 1336.25,212.47 1268.78,212.47 1244.81,188.5 1209.86,188.5 1144.84,123.48 1144.84,108.09 1146.16,106.77 CON.38@1146.16,60.95
FD: CON.48 P1.32 RNFC5.1 U5.4 | length 1764.5
  Top Layer w10: P1.32@1800,400 1800,594.54 1910.96,705.5 2081.76,705.5 2089.38,713.12 2089.38,786.88 2081.07,795.19 2061.07,795.19 2052.76,803.5 RNFC5.1@2052.76,850 2052.76,857.87 2013,897.63 2013,991.23 2028.75,1006.98 2028.75,1036.98 2040.86,1049.09 2047.44,1049.09 U5.4@2048.34,1050
  Bottom Layer w10: CON.48@1307.48,57.12 1307.48,117.48 1330.47,140.47 1366.08,140.47 1383.61,158 1773,158 1844.53,229.53 1844.53,355.47 P1.32@1800,400
GND: C1.1 C2.1 C3.1 C4.1 C5.1 C6.1 C7.1 C8.1 C9.1 C10.1 C13-1.1 C13-2.1 C14.2 CNFC.1 CON.4 CON.50 NFC.2 P1.24 P1.35 P1.36 P2.1 R1.2 R3.2 U1.3 U1.5 U1.21 U2.1 U3.1 U4.3 U5.2 USB.5 USB.GND Y1.GND | length 3366467.7
  Top Layer w10: v1@390,1295 v1(389,1294) 377.42,1282.42 377.42,1259.14 400,1236.56 U4.3@400,1130.71 ; C8.1@414.95,824.95 C8.1@414.95,829.95 ; C5.1@505.05,1254.95 C4.1@545.05,1294.95 C6.1@585.05,1334.95 ; v1(2057.5,1103) 2057.5,1102.54 2069.22,1090.82 2069.22,1077.92 2070.78,1076.37 U5.2@2070.01,1075.59
  Top Layer w15: C10.1@234.95,624.95 269.47,590.43 290.88,590.43 Y1.GND@292.1,591.65 295.58,595.13 330.74,595.13 337.51,601.9 356.3,601.9 359.26,604.87 394.42,604.87 Y1.GND@397.9,608.35 399.13,609.58 420.53,609.58 C9.1@455.05,575.05 ; v1(324.84,225) 325.74,224.1 418.1,224.1 v3(430.18,212.03) ; C6.1@585.05,1334.95 C6.1@585.05,1335.25
  Top Layer w20: C8.1@409.95,824.95 C7.1@449.95,784.95 ; v1(475,805) 454.95,784.95 C7.1@449.95,784.95 ; C1.1@527.85,707.04 C2.1@489.95,744.95 C7.1@449.95,784.95 ; v1(1385,550) 1385,484.91 1400,469.91 P1.24@1400,400 ; C14.2@1580.05,550.05 1581.45,548.66 1609.32,548.66 1678.9,618.24 v1(1678.9,665) ; CNFC.1@2064.57,1350 CNFC.1@2064.57,1352.72 ; v1(2330,305) 2751.41,305 2924.5,478.09 2924.5,750.5 2854.47,820.53 2854.47,1204.47 P2.1@2950,1300